# Altium PCB Spectre.PcbDoc (part 1 of 2) (continued)
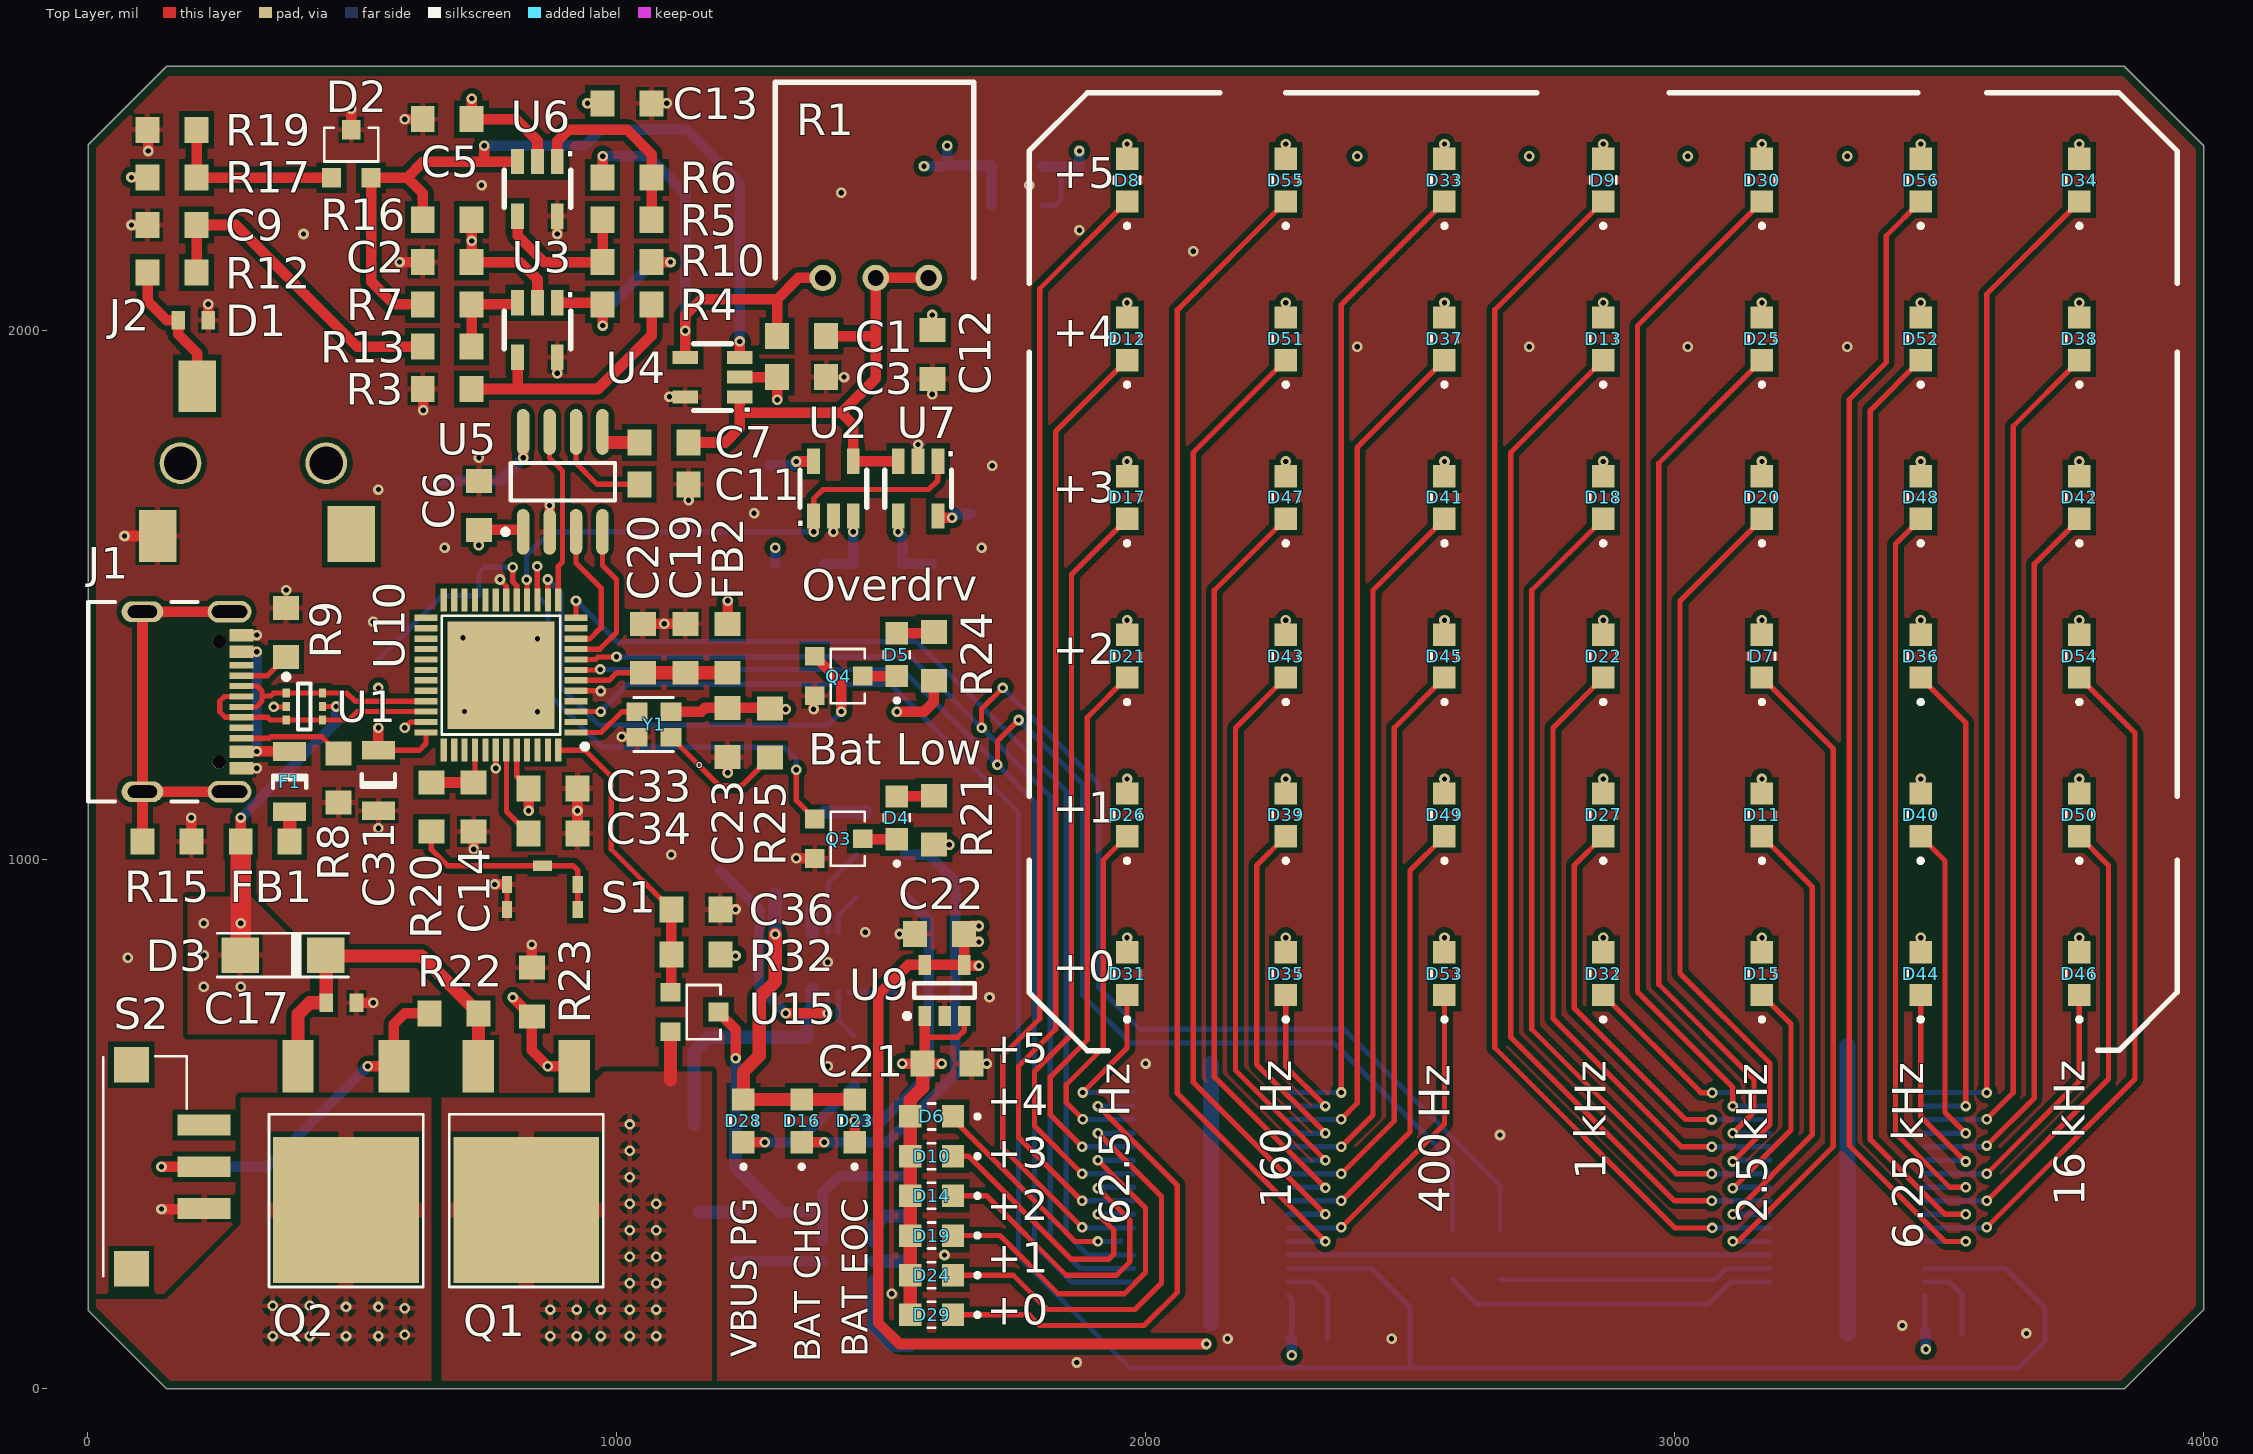
[diagram p0: Top Layer view]
## Design rules (kind name [scope] priority, off if disabled: settings) (continued)
PolygonConnect "Via connect style" [isVia] p7: connectstyle=Direct reliefconductorwidth=10 reliefentries=4 polygonreliefangle="90 Angle" airgapwidth=10
PolygonConnect [All] p8: connectstyle=Relief reliefconductorwidth=10 reliefentries=4 polygonreliefangle="90 Angle" airgapwidth=6
RoutingCorners [All] p1: cornerstyle=45-Degree minsetback=49.21 maxsetback=49.21
RoutingVias [All] p1: holewidth=12 width=22 viastyle="Through Hole" minholewidth=10 minwidth=18 maxholewidth=100 maxwidth=114
SilkToSilkClearance [All] p1: silktosilkclearance=0
SilkToSolderMaskClearance [IsPad] p1: minsilkscreentomaskgap=5 clearancetoexposedcopper=TRUE
SolderMaskExpansion [All] p1: expansion=2.5
Width GND [InNet('GND')] p1: maxlimit=30 minlimit=10 preferedwidth=20
Width Power [InNetClass('Power')] p2: maxlimit=40 minlimit=20 preferedwidth=30
Width 3V3 [InNetClass('3V3')] p3: maxlimit=30 minlimit=10 preferedwidth=20
Width [All] p4: maxlimit=400 minlimit=6 preferedwidth=8
20 further rules are at their usual default settings.

## Components (designator, comment, footprint, x,y, rotation, side; value= is the part's Value field where it differs from the comment)
C1 "5p" 0805 1350,1990 r180 top
C2 "0.1u" 0805 680,2130 r180 top
C3 "0.1u" 0805 1350,1912.6 r0 top
C4 "0.1u" 0805 1290.39,1700 r270 bottom
C5 "0.1u" 0805 680,2400 r180 top
C6 "0.1u" 0805 740,1670 r90 top
C7 "0.1u" 0805 1090,1788.98 r0 top
C8 "0.1u" 0805 1680,1700 r90 bottom
C9 "150p" 0805 160,2200 r0 top
C10 "33p" 0805 677.51,1670 r270 bottom
C11 "0.1u" 0805 1090,1710 r0 top
C12 "1u" 0805 1597.05,1955 r90 top
C13 "1u" 0805 1020,2430 r180 top
C14 "0.1u" 0805 730,1100 r90 top
C15 "2.2u" 0805 1875,2265 r90 bottom
C16 "2.2u" 0805 1625,2265 r90 bottom
C17 "4.7u" 0603 480,730 r180 top
C18 "220u" D 550,1505 r90 bottom
C19 "10u" 0805 1130,1400 r270 top
C20 "0.1u" 0805 1050,1400 r270 top
C21 "2.2u" 0805 1625,615 r180 top
C22 "2.2u" 0805 1610.53,860 r0 top
C23 "0.1u" 0805 1210,1240.94 r90 top
C24 "0.1u" 0805 2230,95 r0 bottom
C25 "220u" D 3326.46,2150 r270 bottom
C26 "220u" D 3025,2150 r270 bottom
C27 "0.1u" 0805 3430,105 r0 bottom
C28 "220u" D 2725,2150 r270 bottom
C29 "220u" D 2400,2150 r270 bottom
C30 "4.7u" 0603 1360.39,636.26 r90 bottom
C31 "10u" 1206 550,1150 r90 top
C32 "4.7u" 0603 1500,1090 r180 bottom
C33 "0.1u" 0805 880,1134.92 r180 top
C34 "1u" 0805 880,1050 r180 top
C35 "0.1u" 0805 1310,287.8 r270 bottom
C36 "0.1u" 0805 1150,906.38 r180 top
C37 "0.1u" 0805 740,1452.99 r90 bottom
D1 "DIODE_TVS_BIDIR" 0603 200,2020 r180 top
D2 "TLV431AQFTA" SOT-23-3#1 431.16,2263.64 r0 top
D3 "DIODE_SCHOTTKY" SMA 370,820 r0 top
D4 "SMT-LED" "0805 LED" 1565,994.65 r90 top
D5 "SMT-LED" "0805 LED" 1565,1302.83 r90 top
D6 "SMT-LED" "0805 LED" 1680.55,550 r180 top
D7 "SMT-LED" "0805 LED" 3200,1300 r90 top
D8 "SMT-LED" "0805 LED" 2000,2200 r90 top
D9 "SMT-LED" "0805 LED" 2900,2200 r90 top
D10 "SMT-LED" "0805 LED" 1680.55,475 r180 top
D11 "SMT-LED" "0805 LED" 3200,1000 r90 top
D12 "SMT-LED" "0805 LED" 2000,1900 r90 top
D13 "SMT-LED" "0805 LED" 2900,1900 r90 top
D14 "SMT-LED" "0805 LED" 1680.55,400 r180 top
D15 "SMT-LED" "0805 LED" 3200,700 r90 top
D16 "SMT-LED" "0805 LED" 1385,421.69 r90 top
D17 "SMT-LED" "0805 LED" 2000,1600 r90 top
D18 "SMT-LED" "0805 LED" 2900,1600 r90 top
D19 "SMT-LED" "0805 LED" 1680.55,325 r180 top
D20 "SMT-LED" "0805 LED" 3200,1600 r90 top
D21 "SMT-LED" "0805 LED" 2000,1300 r90 top
D22 "SMT-LED" "0805 LED" 2900,1300 r90 top
D23 "SMT-LED" "0805 LED" 1485,421.69 r90 top
D24 "SMT-LED" "0805 LED" 1680.55,250 r180 top
D25 "SMT-LED" "0805 LED" 3200,1900 r90 top
D26 "SMT-LED" "0805 LED" 2000,1000 r90 top
D27 "SMT-LED" "0805 LED" 2900,1000 r90 top
D28 "SMT-LED" "0805 LED" 1275,421.69 r90 top
D29 "SMT-LED" "0805 LED" 1680.55,175 r180 top
D30 "SMT-LED" "0805 LED" 3200,2200 r90 top
D31 "SMT-LED" "0805 LED" 2000,700 r90 top
D32 "SMT-LED" "0805 LED" 2900,700 r90 top
D33 "SMT-LED" "0805 LED" 2600,2200 r90 top
D34 "SMT-LED" "0805 LED" 3800,2200 r90 top
D35 "SMT-LED" "0805 LED" 2300,700 r90 top
D36 "SMT-LED" "0805 LED" 3500,1300 r90 top
D37 "SMT-LED" "0805 LED" 2600,1900 r90 top
D38 "SMT-LED" "0805 LED" 3800,1900 r90 top
D39 "SMT-LED" "0805 LED" 2300,1000 r90 top
D40 "SMT-LED" "0805 LED" 3500,1000 r90 top
D41 "SMT-LED" "0805 LED" 2600,1600 r90 top
D42 "SMT-LED" "0805 LED" 3800,1600 r90 top
D43 "SMT-LED" "0805 LED" 2300,1300 r90 top
D44 "SMT-LED" "0805 LED" 3500,700 r90 top
D45 "SMT-LED" "0805 LED" 2600,1300 r90 top
D46 "SMT-LED" "0805 LED" 3800,700 r90 top
D47 "SMT-LED" "0805 LED" 2300,1600 r90 top
D48 "SMT-LED" "0805 LED" 3500,1600 r90 top
D49 "SMT-LED" "0805 LED" 2600,1000 r90 top
D50 "SMT-LED" "0805 LED" 3800,1000 r90 top
D51 "SMT-LED" "0805 LED" 2300,1900 r90 top
D52 "SMT-LED" "0805 LED" 3500,1900 r90 top
D53 "SMT-LED" "0805 LED" 2600,700 r90 top
D54 "SMT-LED" "0805 LED" 3800,1300 r90 top
D55 "SMT-LED" "0805 LED" 2300,2200 r90 top
D56 "SMT-LED" "0805 LED" 3500,2200 r90 top
F1 "FUSE" 1206 382,1148 r270 top
FB1 "Ferrite_Bead" 0805 336,1035 r180 top
FB2 "Ferrite_Bead" 0805 1210,1400 r270 top
J1 "USB4105-GF-A" USB4105-GF-A 160,1300 r270 top locked
J2 "Phonejack3" STX-3500-3NTR 451.46,1750 r90 top locked
J3 "JST-PH-SMT" JST-PH-SMT 1126.57,598.43 r0 bottom
Q1 "PFET" TO-252-3 829.45,338.35 r180 top
Q2 "PFET" TO-252-3 488.74,338.35 r180 top
Q3 "MOSFET_N" SOT-23 1420,1040 r270 top
Q4 "MOSFET_N" SOT-23 1420,1347.48 r270 top
Q5 "MOSFET_N" SOT-23 1600,364.42 r90 bottom
Q6 "MOSFET_N" SOT-23 1600,120 r90 bottom
R1 "10k" "Adafruit 356" 1390,2100 r0 top
R2 "26.7k" 0805 1346.22,1560 r180 bottom
R3 "10k" 0805 680,1890 r180 top
R4 "10k" 0805 1020,2050 r0 top
R5 "10k" 0805 1020,2210 r180 top
R6 "2.7k" 0805 1020,2290 r0 top
R7 "10k" 0805 680,2050 r180 top
R8 "5.1k" 0805 474.45,1155 r90 top
R9 "5.1k" 0805 375.55,1430 r270 top
R10 "10k" 0805 1020,2130 r0 top
R11 "13k" 0805 1493.74,1560 r180 bottom
R12 "330" 0805 160,2110 r180 top
R13 "10k" 0805 680,1970 r180 top
R14 "200k" 0805 740,1670 r270 bottom
R15 "0" 0805 150,1035 r180 top
R16 "10k" 0805 680,2210 r180 top
R17 "10k" 0805 160,2290 r0 top
R18 "26.7k" 0805 1643.74,1560 r180 bottom
R19 "10k" 0805 160,2380 r180 top
R20 "330" 0805 650,1100 r270 top
R21 "330" 0805 1600,1075 r270 top
R22 "100k" 0805 693.15,710 r0 top
R23 "100k" 0805 840,750 r270 top
R24 "330" 0805 1600,1384.88 r270 top
R25 "10k" 0805 1290,1240 r90 top
R26 "330" 0805 1500,1010 r0 bottom
R27 "330" 0805 1500,930 r0 bottom
R28 "10k_NTC" 0805 1150,980 r180 bottom
R29 "330" 0805 1450,620 r270 bottom
R30 "2k" 0805 1530,700 r270 bottom
R31 "330" 0805 1225,287.8 r90 bottom
R32 "100k" 0805 1150,821.15 r180 top
R33 "10k" 0805 2390,95 r180 bottom
R34 "10k" 0805 3590,105 r180 bottom
R35 "2.7k" 0805 1600,242.2 r0 bottom
R37 "0" 0805 2670,253.23 r90 bottom
R39 "0" 0805 2580,253.23 r90 bottom
S1 "R-667077" R-667077 860,930 r0 top
S2 "SS312SAH4-R" SW_SS312SAH4-R 160,420 r0 top
U1 "EGUARD0504FTR" TSOP65P120X90-6N 410,1290 r0 top
U2 "MCP6546" PCBComponent_1#1 1319.84,1616.54 r0 top
U3 "MCP601R" PCBComponent_1#1 940.79,2086.61 r180 top
U4 "MCP601R" PCBComponent_1#1 1266.61,1822.44 r90 top
U5 "MSGEQ7" MSGEQ7 1015.79,1557.01 r90 top
U6 "MCP601R" PCBComponent_1#1 940.79,2353.46 r180 top
U7 "MCP6546" PCBComponent_1#1 1660.16,1786.61 r180 top
U8 "ADP7142AUJZ-3.3-R7" TSOT-23-5 1838.47,2212.01 r180 bottom
U9 "ADP7142AUJZ-3.3-R7" TSOT-23-5 1682.99,671.54 r90 top
U10 "ATSAMD21G17A-MU" ATSAMD21G17A-MU 958.9,1517.52 r180 top
U11 "TLC5947DAPRG4" *SOP65P810X120-32N 2123.54,368.39 r0 bottom
U12 "TLC5947DAPRG4" *SOP65P810X120-32N 3326.46,368.39 r0 bottom
U13 "MCP73833T-AMI/MF" PCBComponent_1#2 1474.37,901.5 r270 bottom
U14 "AP9101CAK6-ANTRG1" SOT-25 1515.98,175.6 r180 bottom
U15 "BD48K34G-TL" SOT-23-3#2 1150,710 r270 top
Y1 "ASDK2-32.768KHZ-LR-T3" ASDK2-32.768KHZ-LR-T3 1137.64,1314.93 r180 top

## Footprints (in the part's own frame and the unit in brackets; to place one, negate y for a bottom-side part, rotate by r counter-clockwise, add the part's x,y. Pads: shape width x height; smd on the part's side, far side on the other; paste and mask are expansions set on the pad)
0603 [mm] "Chip Capacitor; Body 1.6 x 0.8 mm (LxW typ)"
  rect 0.65x0.9 smd mask+0.038: 1(-0.725,0) 2(0.725,0)
  body extent -0.8,-0.4 0.8,0.4, height 0.95
0805 [mm] "Chip Capacitor; Body 2.0 x 1.2 mm (LxW typ)"
  rect 1.15x1.25 smd mask+0.038: 1(-1.175,0) 2(1.175,0)
  body extent -1,-0.6 1,0.6, height 1.27
"0805 LED" [mm]
  rect 1.07x1.08 smd: 1(3.184,0.889) 2(1.134,0.889)
  silkscreen extent -0.14,0.26 2.33,1.51
1206 [mm] "Chip Capacitor; Body 3.2 x 1.6 mm (LxW typ)"
  rect 0.9x1.6 smd mask+0.038: 1(-1.45,0) 2(1.45,0)
  silkscreen extent -0.3,-0.8 0.3,0.8, body extent -1.6,-0.8 1.6,0.8, height 1.9
*SOP65P810X120-32N [mm]
  rect 1.57x0.41 smd: 1(-3.72,4.875) 2(-3.72,4.225) 3(-3.72,3.575) 4(-3.72,2.925) 5(-3.72,2.275) 6(-3.72,1.625) 7(-3.72,0.975) 8(-3.72,0.325) 9(-3.72,-0.325) 10(-3.72,-0.975) 11(-3.72,-1.625) 12(-3.72,-2.275) 13(-3.72,-2.925) 14(-3.72,-3.575) 15(-3.72,-4.225) 16(-3.72,-4.875) 17(3.72,-4.875) 18(3.72,-4.225) 19(3.72,-3.575) 20(3.72,-2.925) 21(3.72,-2.275) 22(3.72,-1.625) 23(3.72,-0.975) 24(3.72,-0.325) 25(3.72,0.325) 26(3.72,0.975) 27(3.72,1.625) 28(3.72,2.275) 29(3.72,2.925) 30(3.72,3.575) 31(3.72,4.225) 32(3.72,4.875)
  rect 5.2x11 smd: 33(0,0)
  silkscreen extent -4.55,5.45 -4.45,5.55
"Adafruit 356" [mil]
  round 50 hole 30: 1(0,0) 2(100,0) 3(200,0)
  silkscreen extent -90,0 285,370
ASDK2-32.768KHZ-LR-T3 [mm]
  rect 1x0.9 smd mask+0.038: 1(0.876,2.111) 2(2.505,2.111) 3(2.505,0.885) 4(0.876,0.885)
  silkscreen extent 0.76,0.2 2.67,2.79
ATSAMD21G17A-MU [mm]
  rect 1.1x0.3 smd mask+0.038: 1(0.9,7.025) 2(0.9,6.525) 3(0.9,6.025) 4(0.9,5.525) 5(0.9,5.025) 6(0.9,4.525) 7(0.9,4.025) 8(0.9,3.525) 9(0.9,3.025) 10(0.9,2.525) 11(0.9,2.025) 12(0.9,1.525) 25(8.1,1.525) 26(8.1,2.025) 27(8.1,2.525) 28(8.1,3.025) 29(8.1,3.525) 30(8.1,4.025) 31(8.1,4.525) 32(8.1,5.025) 33(8.1,5.525) 34(8.1,6.025) 35(8.1,6.525) 36(8.1,7.025)
  rect 0.3x1.1 smd mask+0.038: 13(1.75,0.675) 14(2.25,0.675) 15(2.75,0.675) 16(3.25,0.675) 17(3.75,0.675) 18(4.25,0.675) 19(4.75,0.675) 20(5.25,0.675) 21(5.75,0.675) 22(6.25,0.675) 23(6.75,0.675) 24(7.25,0.675) 37(7.25,7.875) 38(6.75,7.875) 39(6.25,7.875) 40(5.75,7.875) 41(5.25,7.875) 42(4.75,7.875) 43(4.25,7.875) 44(3.75,7.875) 45(3.25,7.875) 46(2.75,7.875) 47(2.25,7.875) 48(1.75,7.875)
  rect 5.15x5.15 smd mask+0.038: 49(4.5,4.275)
  silkscreen extent 0.35,1.43 7.35,7.82, body extent 1,0.78 8,7.78, height 0.55
D [mm] "Capacitor, SM Tantalum; Body 7.3 x 4.3 mm (LxW typ)"
  rect 2.6x2.4 smd mask+0.038: 1(-3.2,0) 2(3.2,0)
  silkscreen extent -4.57,-2.3 3.8,2.43, body extent -3.65,-2.15 3.65,2.15, height 2.81
JST-PH-SMT [mm]
  rect 1x5 smd: 1(0.5,2.5) 2(2.5,2.5)
  silkscreen extent -1.5,0.5 4.5,1.5
MSGEQ7 [mm]
  oval 2.2x0.6 smd mask+0.038: 1(1.6,4.885) 2(1.6,3.615) 3(1.6,2.345) 4(1.6,1.075) 5(6.4,1.075) 6(6.4,2.345) 7(6.4,3.615) 8(6.4,4.885)
  silkscreen extent 1.48,0.48 4.9,5.86, body extent 1.05,0.53 7.05,5.43, height 1.75
PCBComponent_1#1 [mm]
  rect 0.62x1.22 smd mask+0.038: 1(1.34,0.85) 2(2.29,0.85) 3(3.24,0.85) 4(3.24,3.47) 5(1.34,3.47)
  silkscreen extent 0.69,1.26 3.89,3.06, body extent 0.79,0.66 3.79,3.66, height 1.46
PCBComponent_1#2 [mm]
  rrect70% 0.84x0.26 smd: 1(0.978,2.905) 2(0.978,2.405) 3(0.978,1.905) 4(0.978,1.405) 5(0.978,0.905) 6(3.848,0.905) 7(3.848,1.405) 8(3.848,1.905) 9(3.848,2.405) 10(3.848,2.905)
  rect 1.58x2.35 smd paste-2: 11(2.413,1.905)
  silkscreen extent 0.46,0.41 3.91,3.45
R-667077 [mm]
  rect 0.5x0.8 smd: 1(-1.7,0.6) 2(-1.7,-0.6) 3(1.7,-0.6) 4(1.7,0.6)
  rect 0.9x0.5 smd: 5(0,1.5)
SMA [mm]
  rect 1.8x1.7 smd: 1(-2.068,0) 2(2.032,0)
  silkscreen extent -3.17,-1.08 3.13,1.05, body extent -2.74,-1.4 2.74,1.4, height 2.31
SOT-23 [mm] "SOT-23"
  rect 0.9x0.95 smd mask+0.038: 1(-0.95,-1.15) 2(0,1.15) 3(0.95,-1.15)
  silkscreen extent -1.3,-0.38 1.3,1.25, body extent -1.46,-1.27 1.46,1.27, height 0.98
SOT-23-3#1 [mm]
  rect 0.9x0.95 smd mask+0.038: 1(0.766,0.655) 2(2.665,0.655) 3(1.715,2.955)
  silkscreen extent 0.42,1.43 3.02,3.06, body extent 0.31,0.53 3.24,3.07, height 0.98
SOT-23-3#2 [mm]
  rect 0.9x0.95 smd mask+0.038: 1(-1.011,-1.22) 2(0.89,-1.22) 3(-0.061,1.08)
  silkscreen extent -1.36,-0.44 1.24,1.18, body extent -1.46,-1.35 1.46,1.2, height 0.98
SOT-25 [mm]
  rect 0.95x0.6 smd mask+0.038: 1(0.75,2.625) 2(0.75,1.675) 3(0.75,0.725) 4(3.2,0.725) 5(3.2,1.675) 6(3.2,2.625)
  silkscreen extent 0.63,0.23 2.33,3.6, body extent 0.57,0.18 3.38,3.18, height 0.86
STX-3500-3NTR [mm]
  rect 2.475x1.8 smd: 1(-3.5,8.1) 3(3.7,6.2)
  rect 2.7x2.3 smd: 2(-3.4,-1.2)
  round 2 hole 1.6: ""(0,7) ""(0,0)
SW_SS312SAH4-R [mm]
  rect 2.55x1 smd: 1(1.525,-2) 2(1.525,0) 3(1.525,2)
  rect 1.7x1.7 smd: P$1(-1.95,-4.9) P$2(-1.95,4.9)
  silkscreen extent -3.3,-5.25 0.7,5.3
TO-252-3 [mm] "TO-252-3, DPak (2 Leads + Tab), SC-63"
  rect 1.5x2.5 smd mask+0.038: 1(-2.3,-6.9) 3(2.3,-6.9)
  rect 7x7 smd mask+0.038: 2(0,0)
  silkscreen extent -3.7,-4.6 3.7,3.7, body extent -3.37,-7.4 3.37,2.7, height 2.37
TSOP65P120X90-6N [mm] "TSOP, 6-Leads, Body 2.10x1.25mm, Pitch 0.65mm, IPC Medium Density"
  rect 0.35x0.45 smd: 1(-0.875,0.65) 2(-0.875,0) 3(-0.875,-0.65) 4(0.875,-0.65) 5(0.875,0) 6(0.875,0.65)
  silkscreen extent -1,-1.1 0.3,1.55, body extent -0.7,-1.1 0.7,1.1, height 1.1
TSOT-23-5 [mm]
  rect 0.95x0.6 smd mask+0.038: 1(0.85,2.55) 2(0.85,1.6) 3(0.85,0.65) 4(3.3,0.65) 5(3.3,2.55)
  silkscreen extent 0.72,0.15 2.43,3.52, body extent 0.5,0.13 3.7,3.02, height 0.94
USB4105-GF-A [mm]
  oval 1.05x2.1 hole 0.6 slot 1.7 at 90 deg: 1(-4.295,2.758) 4(4.345,2.758)
  oval 1x2 hole 0.6 slot 1.4 at 90 deg: 2(-4.295,-1.422) 3(4.345,-1.422)
  rect 0.6x1.15 smd: A1_B12(-3.175,3.333) A4_B9(-2.375,3.333) B1_A12(3.225,3.333) B4_A9(2.425,3.333)
  rect 0.3x1.15 smd: A5(-1.225,3.333) A6(-0.225,3.333) A7(0.275,3.333) A8(1.275,3.333) B5(1.775,3.333) B6(0.775,3.333) B7(-0.725,3.333) B8(-1.725,3.333)
  round 0.65 hole 0.65 unplated: ""(-2.865,2.258) ""(2.915,2.258)
  silkscreen extent -4.76,-4.02 4.82,1.23, body extent -4.79,-3.86 4.79,3.86, height 3.31

## Part data
C1 C2 C3 C4 C5 C6 C7 C8 C9 C10 C11 C12 C13 C14 C15 C16 C17 C19 C20 C21 C22 C23 C24 C27 C30 C31 C32 C33 C34 C35 C36 C37: library part CAP
C18 C25 C26 C28 C29: library part CAP_POL, "CAP TANT POLY 220UF 6.3V 2917", Manufacturer=KEMET, Part Number=T525D227M006ATE025
D1: "TVS DIODE BIDIR"
D2: "Shunt Voltage Reference IC Adjustable 1.24V 18 VV ±1% 15 mA SOT-23-3", Manufacturer="Diodes Incorporated", Part Number=TLV431AQFTA
D3: "DIODE SCHOTTKY"
FB1 FB2: "Ferrite Bead"
J1: "USB-C (USB TYPE-C) USB 2.0 Receptacle Connector 24 (16+8 Dummy) Position Surface Mount, Right Angle; Through Hole", Manufacturer=GCT, Part Number=USB4105-GF-A
J2: "Jack Socket, 1/4\" [6.5mm], Thru-Hole, Vertical, 3-Conductor Open Circuit (Non-Normalling)", PackageDocument=2003, ComponentLink1Description="Manufacturer Link", ComponentLink1URL=http://www.cliffuk.co.uk/, DatasheetDocument=2003, DrillAndSlotSize="Corresponds to nominal value.", LatestRevisionDate=15-Jul-2004, LatestRevisionNote="Component Replaced.", PackageReference=S1VS_SSS, PCB_Layout="Complies with manufacturer's recommendation.", Published=15-Jul-2004, Publisher="Altium Limited"
Q1 Q2: library part MOSFET_P, "MOSFET, P CH, 3-PIN"
Q3 Q4 Q5 Q6: "MOSFET, N CH, 3-PIN"
R1: library part "Adafruit 356", "10 kOhms - PC Pin Through Hole Trimmer Potentiometer - Turn Top Adjustment", Manufacturer="Adafruit Industries LLC", Part Number=356
R2 R3 R4 R5 R6 R7 R8 R9 R10 R11 R12 R13 R14 R15 R16 R17 R18 R19 R20 R21 R22 R23 R24 R25 R26 R27 R28 R29 R30 R31 R32 R33 R34 R35 R37 R39: library part RES, "RESISTOR"
S1: "Tactile Switch SPST-NO Top Actuated Surface Mount", Manufacturer="Mitsumi Electric Company Ltd", Part Number=R-667077
S2: "Slide Switch SPDT Surface Mount, Right Angle", Manufacturer="NKK Switches", Part Number=SS312SAH4-R
U13: "Charger IC Lithium Ion/Polymer 10-DFN _3x3_", Package="DFN-10 Microchip", Availability=Unavailable, MF=Microchip, MP=MCP73833T-AMI/MF, Price=None, SnapEDA_Link=https://www.snapeda.com/parts/MCP73833T-AMI/MF/Microchip/view-part/1192592/?ref=snap
U14: "Ic Batt Prot Li-Ion 1-Cell Sot26", Package=None, Availability=Unavailable, MP=AP9101CAK6-ANTRG1, Price=None
U15: "Supervisor Open Drain or Open Collector 1 Channel 3-SSOP"

## Via types
v1: diameter 20, hole 10, Top Layer to Bottom Layer, tented both sides, 272 vias
v2: diameter 20, hole 10, Top Layer to Bottom Layer, tented bottom, 4 vias

## Nets (pads, with @x,y where several pads share a name; then routed paths per layer and width w, separated by ;. In a path a pad name is that pad's centre, name@x,y a point inside that pad or via, vN(x,y) a via of type N, cw(c..) or ccw(c..) an arc to the next point about the centre after c; other vN are vias at no path point)
3.3VA: C2.1 C3.1 C4.1 C5.1 C6.1 C8.1 C12.2 C13.2 C16.2 R2.2 R14.2 R16.1 R17.1 U2.5 U3.2 U4.2 U5.1 U6.2 U7.5 U8.4 U8.5 | length 1248.9
  Top Layer w20: v1(83.23,2290) R17.1@113.74,2290 ; R16.1@726.26,2210 v1(726.26,2170) C2.1@726.26,2130 817.95,2130 850.63,2097.32 U3.2@850.63,2053.15 ; v1(726.26,2438.98) C5.1@726.26,2400 810,2400 850.63,2359.37 U6.2@850.63,2320 ; v1(739.41,1595) 739.41,1623.15 C6.1@740,1623.74 819.72,1623.74 U5.1@823.46,1620 ; v1(945,2430) C13.2@973.74,2430 ; U4.2@1233.15,1912.6 C3.1@1303.74,1912.6 v1(1303.74,1870) ; v1(1340,1752.99) 1372.44,1752.99 U2.5@1372.6,1753.15 ; C12.2@1597.05,2001.26 v1(1597.05,2030) ; U7.5@1607.4,1650 1610.53,1646.87 v1(1634.27,1646.87)
  Bottom Layer w20: v1(739.41,1595) 739.41,1623.15 R14.2@740,1623.74 ; C4.1@1290.39,1746.26 1333.27,1746.26 v1(1340,1752.99) ; R2.2@1299.96,1560 v1(1300,1590) v1(1300,1590) ; v1(1581.26,2311.26) C16.2@1625,2311.26 ; v1(1625,2350) C16.2@1625,2311.26 ; v1(1634.27,1646.87) 1641.14,1653.74 C8.1@1670,1653.74 ; U8.4@1708.54,2237.6 U8.5@1708.54,2312.4 1626.14,2312.4 C16.2@1625,2311.26
3.3VD: C18.1 C22.2 C23.2 C24.2 C27.2 C31.2 C33.2 C37.2 FB2.1 R21.2 R24.2 R25.2 R32.1 U9.4 U9.5 U10.17 U10.36 U10.44 U11.32 U12.32 Y1.4 | length 2912.2
  Top Layer w10: C31.2@550,1207.09 627.09,1207.09 640,1220 U10.36@640,1240.94 ; v1(803.74,1553.11) 803.74,1526.26 811.26,1518.74 U10.17@811.26,1490.94 ; U10.44@811.26,1207.48 811.26,1157.4 C33.2@833.74,1134.92
  Top Layer w20: C31.2@550,1207.09 v1(550,1249.79) ; v1(833.74,1092.91) C33.2@833.74,1134.92 ; Y1.4@1103.15,1280.07 1160.07,1280.07 1167.2,1287.2 C23.2@1210,1287.2 1290,1287.2 R25.2@1290,1286.26 1291.26,1285 v1(1320,1285) ; FB2.1@1210,1446.26 v1(1210,1490) ; v1(1530,1280.07) 1581.33,1280.07 1600,1298.74 R24.2@1600,1338.62 ; R21.2@1600,1028.74 v1(1628.74,1028.74) ; C22.2@1656.79,860 1671.79,875 v1(1685,875) ; U9.4@1658.86,815 U9.4@1657.4,816.46 ; v1(1685,800) 1658.86,800 U9.4@1657.4,801.46 ; v1(1685,845) 1657.4,845 U9.4@1657.4,816.46 ; v1(2115,85) 1535,85 1495,125 1495,745 1551.46,801.46 U9.5@1582.6,801.46 U9.4@1657.4,801.46 ; U9.4@1657.4,801.46 U9.4@1657.4,816.46
  Bottom Layer w10: C18.1@550,1379.02 670.24,1499.25 C37.2@740,1499.25 740,1543.11 750,1553.11 v1(803.74,1553.11) ; C24.2@2266.26,95 C24.2@2270,98.74 ; U11.32@2270,176.46 2276.26,170.2 C24.2@2276.26,95 ; C27.2@3472.91,108.35 U12.32@3472.91,176.46
  Bottom Layer w20: v1(2276.26,63.74) C24.2@2276.26,95 ; C27.2@3472.91,108.35 3475,106.26 v1(3475,75)
  other v1: 1225,818.54 550,1325
3.3VD_CLEAN: C19.2 C20.2 FB2.2 U10.6 | length 292.5
  Top Layer w10: U10.6@923.46,1339.37 985.63,1339.37 1000,1353.74 C20.2@1050,1353.74
  Top Layer w25: C20.2@1050,1353.74 C19.2@1130,1353.74 FB2.2@1210,1353.74
ADC_IN: U5.3 U10.10 | length 256.8
  Top Layer w10: U10.10@923.46,1418.11 950,1418.11 970.94,1439.05 970.94,1514.06 923.46,1561.54 U5.3@923.46,1620
AUDIO: C1.1 C7.2 R1.2 R1.3 U2.4 U4.1 U7.3 | length 1021.4
  Top Layer w20: C7.2@1136.26,1788.98 1205.24,1788.98 1233.15,1816.89 1233.15,1846.85 ; U4.1@1233.15,1875.2 1233.15,1846.85 ; C1.1@1396.26,1990 1490,1990 ; U7.3@1532.6,1753.15 U2.4@1447.4,1753.15 1447.4,1822.6 1425,1845 ; R1.3@1590,2100 R1.2@1490,2100 1490,1990 ; 1233.15,1846.85 1235,1845 1425,1845 ; 1425,1845 1490,1910 1490,1990
BAT-: C35.1 J3.2 Q5.3 U14.6 U15.3 | length 776.5
  Top Layer w20: U15.3@1192.54,712.38 1225,679.92 v1(1225,625)
  Bottom Layer w20: J3.2@1225,500 v1(1225,625) ; C35.1@1310,334.06 1390,334.06 ; U14.6@1390,278.95 1390,334.06 ; Q5.3@1554.72,401.82 1420.88,401.82 1390,370.94 1390,334.06
  Bottom Layer w25: J3.2@1225,500 1225,419.06 C35.1@1310,334.06
BAT_STAT: C36.2 R32.2 U10.48 U15.1 | length 576.2
  Top Layer w10: U10.48@890,1207.48 939.92,1207.48 990,1157.4 990,1020.12 C36.2@1103.74,906.38
  Top Layer w20: U15.1@1101.99,749.78 1103.74,751.54 R32.2@1103.74,821.15 C36.2@1103.74,906.38
BLANK: R39.2 U10.7 U11.2 | length 3655.9
  Top Layer w10: U10.7@923.46,1359.06 968.58,1359.06 v1(969.53,1360) ; v1(1720,1180) 1720,1224.41 v1(1760,1264.41)
  Bottom Layer w10: v1(969.53,1360) 1540,1360 v1(1720,1180) 1790,1110 1790,271.54 1859.5,202.05 U11.2@1977.09,202.05 ; v1(1760,1264.41) 1881.17,1143.24 1881.17,743.83 1971.26,653.74 2356.26,653.74 2580,430 R39.2@2580,299.49
BLANK_2: R39.1 U12.2 | length 636.9
  Bottom Layer w10: R39.1@2580,206.97 2626.97,160 3063.03,160 3105.08,202.05 U12.2@3180,202.05
BUS_CC1: J1.A5 R9.2 | length 99.1
  Top Layer w10: J1.A5@291.2,1348.21 340.02,1348.21 R9.2@375.55,1383.74
BUS_CC2: J1.B5 R8.2 | length 197.4
  Top Layer w10: J1.B5@291.2,1230.1 343.66,1230.1 346.36,1232.8 430,1232.8 442.91,1232.8 R8.2@474.45,1201.26
BUS_D_MINUS: J1.A7 J1.B7 U1.1 U1.6 U10.33 | length 424.1
  Top Layer w10: J1.A7@291.2,1289.16 319.16,1289.16 330,1300 330,1309.61 ; J1.B7@291.2,1328.53 320.69,1328.53 330,1319.21 330,1309.61 ; U10.33@640,1300 505.59,1300 490,1315.59 U1.6@444.45,1315.59 U1.1@375.55,1315.59 352.34,1315.59 346.35,1309.61 330,1309.61
BUS_D_PLUS: J1.A6 J1.B6 U1.3 U1.4 U10.34 | length 467.9
  Top Layer w10: J1.A6@291.2,1308.84 258.84,1308.84 250,1300 250,1280 260.53,1269.47 J1.B6@291.2,1269.47 340.53,1269.47 345.59,1264.41 U1.3@375.55,1264.41 U1.4@444.45,1264.41 494.09,1264.41 510,1280.31 U10.34@640,1280.31
CLIP: Q4.1 U10.14 | length 948.2
  Top Layer w10: v1(870,1530) 870.32,1529.68 U10.14@870.32,1490.94
  Top Layer w20: Q4.1@1374.72,1384.88 1425,1334.61 v1(1425,1280.31)
  Bottom Layer w10: v1(870,1530) 895,1505 895,1327.03 967.03,1255 1399.69,1255 v1(1425,1280.31)
CLIP_DETECT: U2.1 U7.1 U10.16 | length 993.3
  Top Layer w10: v1(830,1529.68) 830.94,1528.74 U10.16@830.94,1490.94 ; U2.1@1372.6,1650 1372.6,1682.6 1390,1700 1590,1700 1607.4,1717.4 U7.1@1607.4,1753.15
  Top Layer w20: v1(1372.6,1620) U2.1@1372.6,1650
  Bottom Layer w10: v1(830,1529.68) 830,1575 875,1620 v1(1372.6,1620)
DRV_CLK: R37.2 U10.8 U11.3 | length 3756.4
  Top Layer w10: U10.8@923.46,1378.74 959.98,1378.74 964.67,1383.43 999.69,1383.43 v1(1000,1383.74) ; v1(1690,1249.65) 1690,1285 v1(1730,1325)
  Bottom Layer w10: v1(1000,1383.74) 1556.26,1383.74 1820,1120 1820,284.42 1876.78,227.64 U11.3@1977.09,227.64 ; v1(1730,1325) 1911.76,1143.24 1911.76,758.24 1990,680 2375,680 2610,445 2670,385 R37.2@2670,299.49
DRV_CLK_2: R37.1 U12.3 | length 518.6
  Bottom Layer w10: R37.1@2670,206.97 3076.97,206.97 3097.64,227.64 U12.3@3180,227.64
GND: C2.2 C3.2 C4.2 C5.2 C6.2 C8.2 C9.1 C10.2 C11.2 C12.1 C13.1 C14.1 C15.1 C16.1 C17.1 C18.2 C19.1 C20.1 C21.1 C22.1 C23.1 C24.1 C25.2 C26.2 C27.1 C28.2 C29.2 C30.1 C31.1 C32.1 C33.1 C34.1 C36.1 C37.1 D1.1 D2.3 J1.A1_B12 J1.B1_A12 J2.1 Q3.3 Q4.3 Q6.3 R3.2 R8.1 R9.1 R15.1 R18.1 R19.2 R23.1 R28.2 R30.2 R33.1 R34.1 R35.2 S1.1 S1.2 S2.1 U1.2 U2.2 U3.5 U4.5 U5.2 U6.5 U7.2 U8.2 U9.2 U10.5 U10.18 U10.35 U10.42 U10.49 U11.1 U11.33 U12.1 U12.33 U13.5 U13.11 Y1.2 | length 2440.5
  Top Layer w10: v1(352.34,1289.16) 374.71,1289.16 U1.2@375.55,1290 ; v1(600,1250) 610.63,1260.63 U10.35@640,1260.63 ; v1(771.89,1173.02) U10.42@771.89,1207.48 ; v1(779.72,1530) 779.72,1529.06 791.57,1517.21 U10.18@791.57,1490.94 ; S1.2@793.07,906.38 S1.1@793.07,953.62 ; U10.5@923.46,1319.68 969.53,1319.69 v1(970,1319.21)
  Top Layer w20: v1(70,1612.2) J2.1@132.56,1612.2 ; v1(83.23,2200) C9.1@113.74,2200 ; R19.2@104,2370.26 R19.2@113.74,2380 115,2378.74 v1(115,2340) ; v1(140,340) 218.78,340 S2.1@220.04,341.26 ; R15.1@196.26,1035 v1(196.26,1079.74) ; D1.1@228.54,2020 v1(228.54,2050) ; J1.B1_A12@291.2,1173.02 v1(320,1173.02) ; J1.A1_B12@291.2,1424.98 v1(320,1425) ; D2.3@498.7,2380 v1(498.7,2420) ; C17.1@508.54,730 v1(540,730) ; v1(590,2130) C2.2@633.74,2130 ; v1(600,2400) C5.2@633.74,2400 ; v1(634.69,1850) R3.2@634.69,1890 ; v1(730,1020) C14.1@730,1053.74 ; v1(770,953.62) S1.1@793.07,953.62 ; R23.1@840,796.26 v1(840,840) ; U5.2@873.46,1620 v1(873.46,1670) ; U3.5@886.06,1950 888.03,1948.03 v1(888.03,1920) ; v1(888.03,2183.07) U6.5@888.03,2216.85 ; C34.1@926.26,1050 v1(926.26,1092.91) C33.1@926.26,1134.92 ; v1(1010.05,1232.8) Y1.2@1040,1232.8 ; C20.1@1050,1446.26 v1(1090,1446.26) C19.1@1130,1446.26 ; C13.1@1066.26,2430 v1(1095,2430) ; v1(1100,1875.2) U4.5@1130,1875.2 ; C36.1@1196.26,906.38 v1(1225,906.38) ; v1(1210,1165) C23.1@1210,1194.69 ; v1(1340,1002.94) 1374.39,1002.94 Q3.3@1374.72,1002.6 ; v1(1372.44,1285) 1372.44,1305.12 1376.06,1308.74 Q4.3@1374.72,1310.08 ; v1(1597.05,1880) C12.1@1597.05,1908.74
  Bottom Layer w30: 2123.54,125 U11.33@2123.54,368.39 2123.54,614.26 ; 3326.46,105 U12.33@3326.46,368.39 3326.46,648.74
  other v1: 1870,50 2155,95 2465,95 3665,105 3430,120 1520,180 1620,253.23 2670,480 1399.37,610 1700,615 2000,615 1705,740 1399.37,806.5 76.57,815 1535,860 1470,862.99 1103.74,1010 550,1060 540,1450 375.55,1510 675,1590 1690,1590 1410,1620 1260,1655 1136.26,1680 550,1700 1710,1745 740,1760 1570,1785 1430,1912.6 2400,1970 2725,1970 3025,1970 3326.46,1970 2090,2150.39 408.33,2183.07 1875,2190 1425,2260.75 745,2275 1780,2275
  other v2: 712.83,1280.31 850.63,1280 850.63,1418.11 710,1420
LATCH: U10.3 U11.30 U12.30 | length 4541.9
  Top Layer w10: U10.3@923.46,1280.31 v1(970,1280.31)
  Bottom Layer w10: v1(970,1280.31) 1021.81,1332.13 1517.87,1332.13 1760,1090 1760,250 1970,40 2500,40 ; U11.30@2270,227.64 2427.36,227.64 2500,155 2500,40 ; U12.30@3472.91,227.64 3625.1,227.64 3700,152.74 3700,90 3650,40 2500,40
LOW_BAT: Q3.1 U10.15 | length 969.3
  Top Layer w10: v1@850,1559.37 v1(850,1554.68) 850,1491.57 U10.15@850.63,1490.94 ; v1(1340,1170.28) 1340,1112.13 Q3.1@1374.72,1077.4
  Bottom Layer w10: v1@850,1559.37 v1(850,1554.68) 850,1500 870.63,1479.37 870.63,1315.71 973.53,1212.8 1317.2,1212.8 1340,1190 v1(1340,1170.28)
MSG_CLK: U5.4 U10.9 | length 290.6
  Top Layer w10: U10.9@923.46,1398.43 968.43,1398.43 1000,1430 1000,1530 973.46,1556.54 U5.4@973.46,1620
MSG_RST: U5.7 U10.13 | length 331.5
  Top Layer w10: U5.7@873.46,1808.98 873.46,1760 898,1735.46 898,1563 890,1555 U10.13@890,1490.94
NetC1_2: C1.2 R1.1 R6.1 U4.4 | length 924.2
  Top Layer w20: R6.1@973.74,2290 v1(973.74,2330) ; U4.4@1130,1950 v1(1130,2000) 1130,2030 1160,2060 1303.74,2060 ; C1.2@1303.74,1990 1303.74,2060 ; R1.1@1390,2100 1343.74,2100 1303.74,2060
  Bottom Layer w20: v1(973.74,2330) 1060,2330 1130,2260 v1(1130,2000)
NetC7_1: C7.1 U5.5 | length 70
  Top Layer w25: U5.5@973.74,1788.98 C7.1@1043.74,1788.98
NetC9_2: C9.2 R12.1 R13.2 | length 612.7
  Top Layer w20: R12.1@206.26,2110 C9.2@206.26,2200 280,2200 510,1970 R13.2@633.74,1970
NetC10_1: C10.1 R14.1 U5.8 | length 230.6
  Top Layer w20: v1(823.46,1760) U5.8@823.46,1808.98
  Bottom Layer w20: C10.1@660,1716.26 R14.1@740,1716.26 779.72,1716.26 v1(823.46,1760)
NetC11_1: C11.1 U5.6 | length 195.8
  Top Layer w10: U5.6@923.46,1808.98 923.46,1750 963.46,1710 C11.1@1043.74,1710
NetC17_2: C17.2 D3.2 Q1.3 Q2.3 R22.2 | length 682.2
  Top Layer w25: Q2.3@398.19,610 398.19,708.19 420,730 C17.2@451.46,730 451.46,818.54 630.87,818.54 R22.2@739.41,710 738.9,709.49 Q1.3@738.9,610
NetC34_2: C34.2 U10.43 | length 174.9
  Top Layer w10: U10.43@791.57,1207.48 791.89,1207.17 791.89,1091.85 C34.2@833.74,1050
NetC35_2: C35.2 R31.1 U14.5 | length 165
  Bottom Layer w20: R31.1@1225,241.54 C35.2@1310,241.54 U14.5@1390,241.54
NetD1_2: D1.2 J2.3 R12.2 | length 267.2
  Top Layer w20: R12.2@113.74,2110 113.74,2056.26 150,2020 D1.2@171.46,2020 171.46,1993.54 207.36,1957.64 J2.3@207.36,1895.67 J2.3@206.26,1896.77
NetD2_1: D2.1 R17.2 R19.1 | length 345.3
  Top Layer w20: R19.1@206.26,2380 R17.2@206.26,2290 220,2290 220.55,2289.45 D2.1@461.3,2289.45
NetD4_1: D4.1 R21.1 | length 70.5
  Top Layer w20: D4.1@1530,1120 1598.74,1120 R21.1@1600,1121.26
NetD4_2: D4.2 Q3.2 | length 65
  Top Layer w20: Q3.2@1465.28,1040 1465.98,1039.29 D4.2@1530,1039.29
NetD5_1: D5.1 R24.1 | length 67
  Top Layer w20: D5.1@1530,1428.19 R24.1@1597.05,1428.19
NetD5_2: D5.2 Q4.2 | length 64.7
  Top Layer w20: Q4.2@1465.28,1347.48 D5.2@1530,1347.48
NetD6_2: D6.2 U11.5 | length 419.1
  Top Layer w10: D6.2@1635.9,515 1635.9,510 1867.08,278.82 v1(1910,278.82)
  Bottom Layer w10: v1(1910,278.82) 1951.93,278.82 U11.5@1953.54,280.43
NetD7_2: D7.2 U12.5 | length 1276.3
  Top Layer w10: v1(3110,278.82) 3120,278.82 3300,458.82 3300,1209.65 D7.2@3165,1344.65
  Bottom Layer w10: v1(3110,278.82) U12.5@3180,278.82
NetD8_2: D8.2 U11.6 | length 2196.1
  Top Layer w10: v1(1880,305.58) 1730,455.58 1730,630 1800,700 1800,2079.65 D8.2@1965,2244.65
  Bottom Layer w10: v1(1880,305.58) 1881.17,304.41 U11.6@1977.09,304.41
NetD9_2: D9.2 U12.6 | length 2345.6
  Top Layer w10: D9.2@2865,2244.65 2660,2039.65 2660,644.98 3000.57,304.41 v1(3071.17,304.41)
  Bottom Layer w10: v1(3071.17,304.41) U12.6@3180,304.41
NetD10_2: D10.2 U11.7 | length 543.5
  Top Layer w10: D10.2@1635.9,440 1665,440 1860,245 1930,245 1940,255 1940,300 v1(1910,330)
  Bottom Layer w10: v1(1910,330) U11.7@1977.09,330
NetD11_2: D11.2 U12.7 | length 886.1
  Top Layer w10: v1(3110,330) 3260,480 3260,949.65 D11.2@3165,1044.65
  Bottom Layer w10: v1(3110,330) U12.7@3180,330
NetD12_2: D12.2 U11.8 | length 1820.8
  Top Layer w10: v1(1880,355.59) 1760,475.59 1760,610 1830,680 1830,1809.65 D12.2@1965,1944.65
  Bottom Layer w10: v1(1880,355.59) U11.8@1977.09,355.59
NetD13_2: D13.2 U12.8 | length 1969.9
  Top Layer w10: D13.2@2865,1944.65 2690,1769.65 2690,665.59 3000,355.59 v1(3070,355.59)
  Bottom Layer w10: v1(3070,355.59) U12.8@3180,355.59
NetD14_2: D14.2 U11.9 | length 638.7
  Top Layer w10: D14.2@1635.9,365 1700,365 1850,215 1945,215 1970,240 1970,319.42 v1(1910,379.42)
  Bottom Layer w10: v1(1910,379.42) 1911.76,381.18 U11.9@1977.09,381.18
NetD15_2: D15.2 U12.9 | length 504.3
  Top Layer w10: v1(3110,379.42) 3220,489.42 3220,689.65 D15.2@3165,744.65
  Bottom Layer w10: v1(3110,379.42) 3111.76,381.18 U12.9@3180,381.18
NetD16_2: D16.2 R26.2 | length 823.1
  Top Layer w20: D16.2@1350,466.34 v1(1392.48,466.34)
  Bottom Layer w20: v1(1392.48,466.34) 1511.92,466.34 1640,594.42 1640,960 1590,1010 R26.2@1546.26,1010
NetD17_2: D17.2 U11.10 | length 1444.7
  Top Layer w10: v1(1880,406.77) 1790,496.77 1790,600 1860,670 1860,1539.65 D17.2@1965,1644.65
  Bottom Layer w10: v1(1880,406.77) U11.10@1977.09,406.77
NetD18_2: D18.2 U12.10 | length 1583.7
  Top Layer w10: D18.2@2865,1644.65 2730,1509.65 2730,680 3003.23,406.77 v1(3070,406.77)
  Bottom Layer w10: v1(3070,406.77) U12.10@3180,406.77
NetD19_2: D19.2 U11.11 | length 743
  Top Layer w10: D19.2@1635.9,290 1725,290 1835,180 1960,180 2000,220 2000,342.36 v1(1910,432.36)
  Bottom Layer w10: v1(1910,432.36) U11.11@1977.09,432.36
NetD20_2: D20.2 U12.11 | length 1449.2
  Top Layer w10: v1(3110,430) 3180,500 3180,615.58 3010,785.58 3010,1489.65 D20.2@3165,1644.65
  Bottom Layer w10: v1(3110,430) 3112.36,432.36 U12.11@3180,432.36
NetD21_2: D21.2 U11.12 | length 1068.7
  Top Layer w10: v1(1880,457.95) 1820,517.95 1820,590 1890,660 1890,1269.65 D21.2@1965,1344.65
  Bottom Layer w10: v1(1880,457.95) U11.12@1977.09,457.95
NetD22_2: D22.2 U12.12 | length 1194.3
  Top Layer w10: D22.2@2865,1344.65 2770,1249.65 2770,700 3012.05,457.95 v1(3070,457.95)
  Bottom Layer w10: v1(3070,457.95) U12.12@3180,457.95
NetD23_2: D23.2 R27.2 | length 570.1
  Top Layer w20: D23.2@1450,466.34 v1(1450,506.77)
  Bottom Layer w20: v1(1450,506.77) 1501.77,506.77 1590,595 1590,886.26 R27.2@1546.26,930
NetD24_2: D24.2 U11.13 | length 842.1
  Top Layer w10: D24.2@1635.9,215 1750,215 1815,150 1980,150 2030,200 2030,363.54 v1(1910,483.54)
  Bottom Layer w10: v1(1910,483.54) U11.13@1977.09,483.54
NetD25_2: D25.2 U12.13 | length 1703
  Top Layer w10: v1(3110,483.54) 3150,523.54 3150,584.98 2970,764.98 2970,1749.65 D25.2@3165,1944.65
  Bottom Layer w10: v1(3110,483.54) U12.13@3180,483.54
NetD26_2: D26.2 U11.14 | length 691.5
  Top Layer w10: v1(1881.17,510) 1850,541.17 1850,574.98 1920,644.98 1920,999.65 D26.2@1965,1044.65
  Bottom Layer w10: v1(1881.17,510) 1882.04,509.13 U11.14@1977.09,509.13
NetD27_2: D27.2 U12.14 | length 804.8
  Top Layer w10: D27.2@2865,1044.65 2810,989.65 2810,720 3020.87,509.13 v1(3070,509.13)
  Bottom Layer w10: v1(3070,509.13) U12.14@3180,509.13
NetD28_2: D28.2 R29.2 | length 264.8
  Top Layer w20: D28.2@1246.34,466.34 D28.2@1240,466.34 1240,469.13 1242.8,466.34 v1(1280,466.34)
  Bottom Layer w20: v1(1280,466.34) 1342.6,466.34 R29.2@1450,573.74
NetD29_2: D29.2 U11.15 | length 939.6
  Top Layer w10: D29.2@1635.9,140 1780,140 1800,120 1997.26,120 2060,182.74 2060,384.72 v1(1910,534.72)
  Bottom Layer w10: v1(1910,534.72) U11.15@1977.09,534.72
NetD30_2: D30.2 U12.15 | length 1951.8
  Top Layer w10: v1(3110,534.72) 3110,570 2930,750 2930,2009.65 D30.2@3165,2244.65
  Bottom Layer w10: v1(3110,534.72) U12.15@3180,534.72
NetD31_2: D31.2 U11.16 | length 315
  Top Layer w10: v1(1881.17,560.32) 1965,644.15 D31.2@1965,744.65
  Bottom Layer w10: v1(1881.17,560.32) U11.16@1977.09,560.32
NetD32_2: D32.2 U12.16 | length 391.6
  Top Layer w10: D32.2@2865,744.65 3049.65,560 v1(3071.17,560)
  Bottom Layer w10: v1(3071.17,560) 3071.49,560.32 U12.16@3180,560.32
NetD33_2: D33.2 U11.17 | length 1865.1
  Top Layer w10: v1(2370,560.32) 2370,2049.65 D33.2@2565,2244.65
  Bottom Layer w10: U11.17@2270,560.32 v1(2370,560.32)
NetD34_2: D34.2 U12.17 | length 1874.4
  Top Layer w10: v1(3590,560) 3590,2069.65 D34.2@3765,2244.65
  Bottom Layer w10: U12.17@3472.91,560.32 3589.68,560.32 v1(3590,560)
NetD35_2: D35.2 U11.18 | length 311
  Top Layer w10: D35.2@2265,744.65 2265,609.72 v1(2340,534.72)
  Bottom Layer w10: U11.18@2270,534.72 v1(2340,534.72)
NetD36_2: D36.2 U12.18 | length 922.2
  Top Layer w10: D36.2@3465,1344.65 3550,1259.65 v1(3550,534.72)
  Bottom Layer w10: U12.18@3472.91,534.72 v1(3550,534.72)
NetD37_2: D37.2 U11.19 | length 1615.8
  Top Layer w10: v1(2370,510) 2400,540 2400,1779.65 D37.2@2565,1944.65
  Bottom Layer w10: U11.19@2270,509.13 2369.13,509.13 v1(2370,510)
NetD38_2: D38.2 U12.19 | length 1624.6
  Top Layer w10: v1(3590,510) 3640,560 3640,1819.65 D38.2@3765,1944.65
  Bottom Layer w10: U12.19@3472.91,509.13 3589.13,509.13 v1(3590,510)
NetD39_2: D39.2 U11.20 | length 707.7
  Top Layer w10: D39.2@2265,1044.65 2210,989.65 2210,613.54 v1(2340,483.54)
  Bottom Layer w10: U11.20@2270,483.54 v1(2340,483.54)
NetD40_2: D40.2 U12.20 | length 673.4
  Top Layer w10: D40.2@3465,1044.65 3511.18,998.47 3511.18,522.36 v1(3550,483.54)
  Bottom Layer w10: U12.20@3472.91,483.54 v1(3550,483.54)
NetD41_2: D41.2 U11.21 | length 1367.5
  Top Layer w10: v1(2370,457.95) 2430,517.95 2430,1509.65 D41.2@2565,1644.65
  Bottom Layer w10: U11.21@2270,457.95 v1(2370,457.95)
NetD42_2: D42.2 U12.21 | length 1375.1
  Top Layer w10: v1(3590,460) 3680,550 3680,1559.65 D42.2@3765,1644.65
  Bottom Layer w10: U12.21@3472.91,457.95 3587.95,457.95 v1(3590,460)
NetD43_2: D43.2 U11.22 | length 1092.1
  Top Layer w10: D43.2@2265,1344.65 2170,1249.65 2170,602.36 v1(2340,432.36)
  Bottom Layer w10: U11.22@2270,432.36 v1(2340,432.36)
NetD44_2: D44.2 U12.22 | length 427.9
  Top Layer w10: D44.2@3465,744.65 3465,515 v1(3550,430)
  Bottom Layer w10: U12.22@3472.91,432.36 3547.64,432.36 v1(3550,430)
NetD45_2: D45.2 U11.23 | length 1118.6
  Top Layer w10: v1(2370,406.77) 2470,506.77 2470,1249.65 D45.2@2565,1344.65
  Bottom Layer w10: U11.23@2270,406.77 v1(2370,406.77)
NetD46_2: D46.2 U12.23 | length 527.4
  Top Layer w10: v1(3590,406.77) 3765,581.77 D46.2@3765,744.65
  Bottom Layer w10: U12.23@3472.91,406.77 v1(3590,406.77)
NetD47_2: D47.2 U11.24 | length 1478
  Top Layer w10: D47.2@2265,1644.65 2130,1509.65 2130,590 v1(2340,380)
  Bottom Layer w10: U11.24@2270,381.18 2338.82,381.18 v1(2340,380)
NetD48_2: D48.2 U12.24 | length 1432.6
  Top Layer w10: D48.2@3465,1644.65 3417.64,1597.28 3417.64,483.54 3520,381.18 v1(3550,381.18)
  Bottom Layer w10: U12.24@3472.91,381.18 v1(3550,381.18)
NetD49_2: D49.2 U11.25 | length 869.8
  Top Layer w10: v1(2370,355.59) 2500,485.59 2500,979.65 D49.2@2565,1044.65
  Bottom Layer w10: U11.25@2270,355.59 v1(2370,355.59)
NetD50_2: D50.2 U12.25 | length 924.2
  Top Layer w10: v1(3590,355.59) 3820,585.59 3820,989.65 D50.2@3765,1044.65
  Bottom Layer w10: U12.25@3472.91,355.59 v1(3590,355.59)
NetD51_2: D51.2 U11.26 | length 1860.7
  Top Layer w10: D51.2@2265,1944.65 2090,1769.65 2090,579.98 v1(2340,330)
  Bottom Layer w10: U11.26@2270,330 v1(2340,330)
NetD52_2: D52.2 U12.26 | length 1828.4
  Top Layer w10: D52.2@3465,1944.65 3370,1849.65 3370,471.18 3511.18,330 v1(3550,330)
  Bottom Layer w10: U12.26@3472.91,330 v1(3550,330)
NetD53_2: D53.2 U11.27 | length 620.3
  Top Layer w10: v1(2370,305.58) 2565,500.58 D53.2@2565,744.65
  Bottom Layer w10: U11.27@2270,304.41 2368.83,304.41 v1(2370,305.58)